# Altium PCB harmonicAnalyzerPcb_r001.PcbDoc
Units mm, origin at the board's own origin, x right, y up, seen from the top; angles counter-clockwise.
Board outline 88.5 x 90 mm, 2 copper layers (Top Layer, Bottom Layer), stack 1.571 mm thick; 69 components, 52 nets, 245 pads, 60 vias.
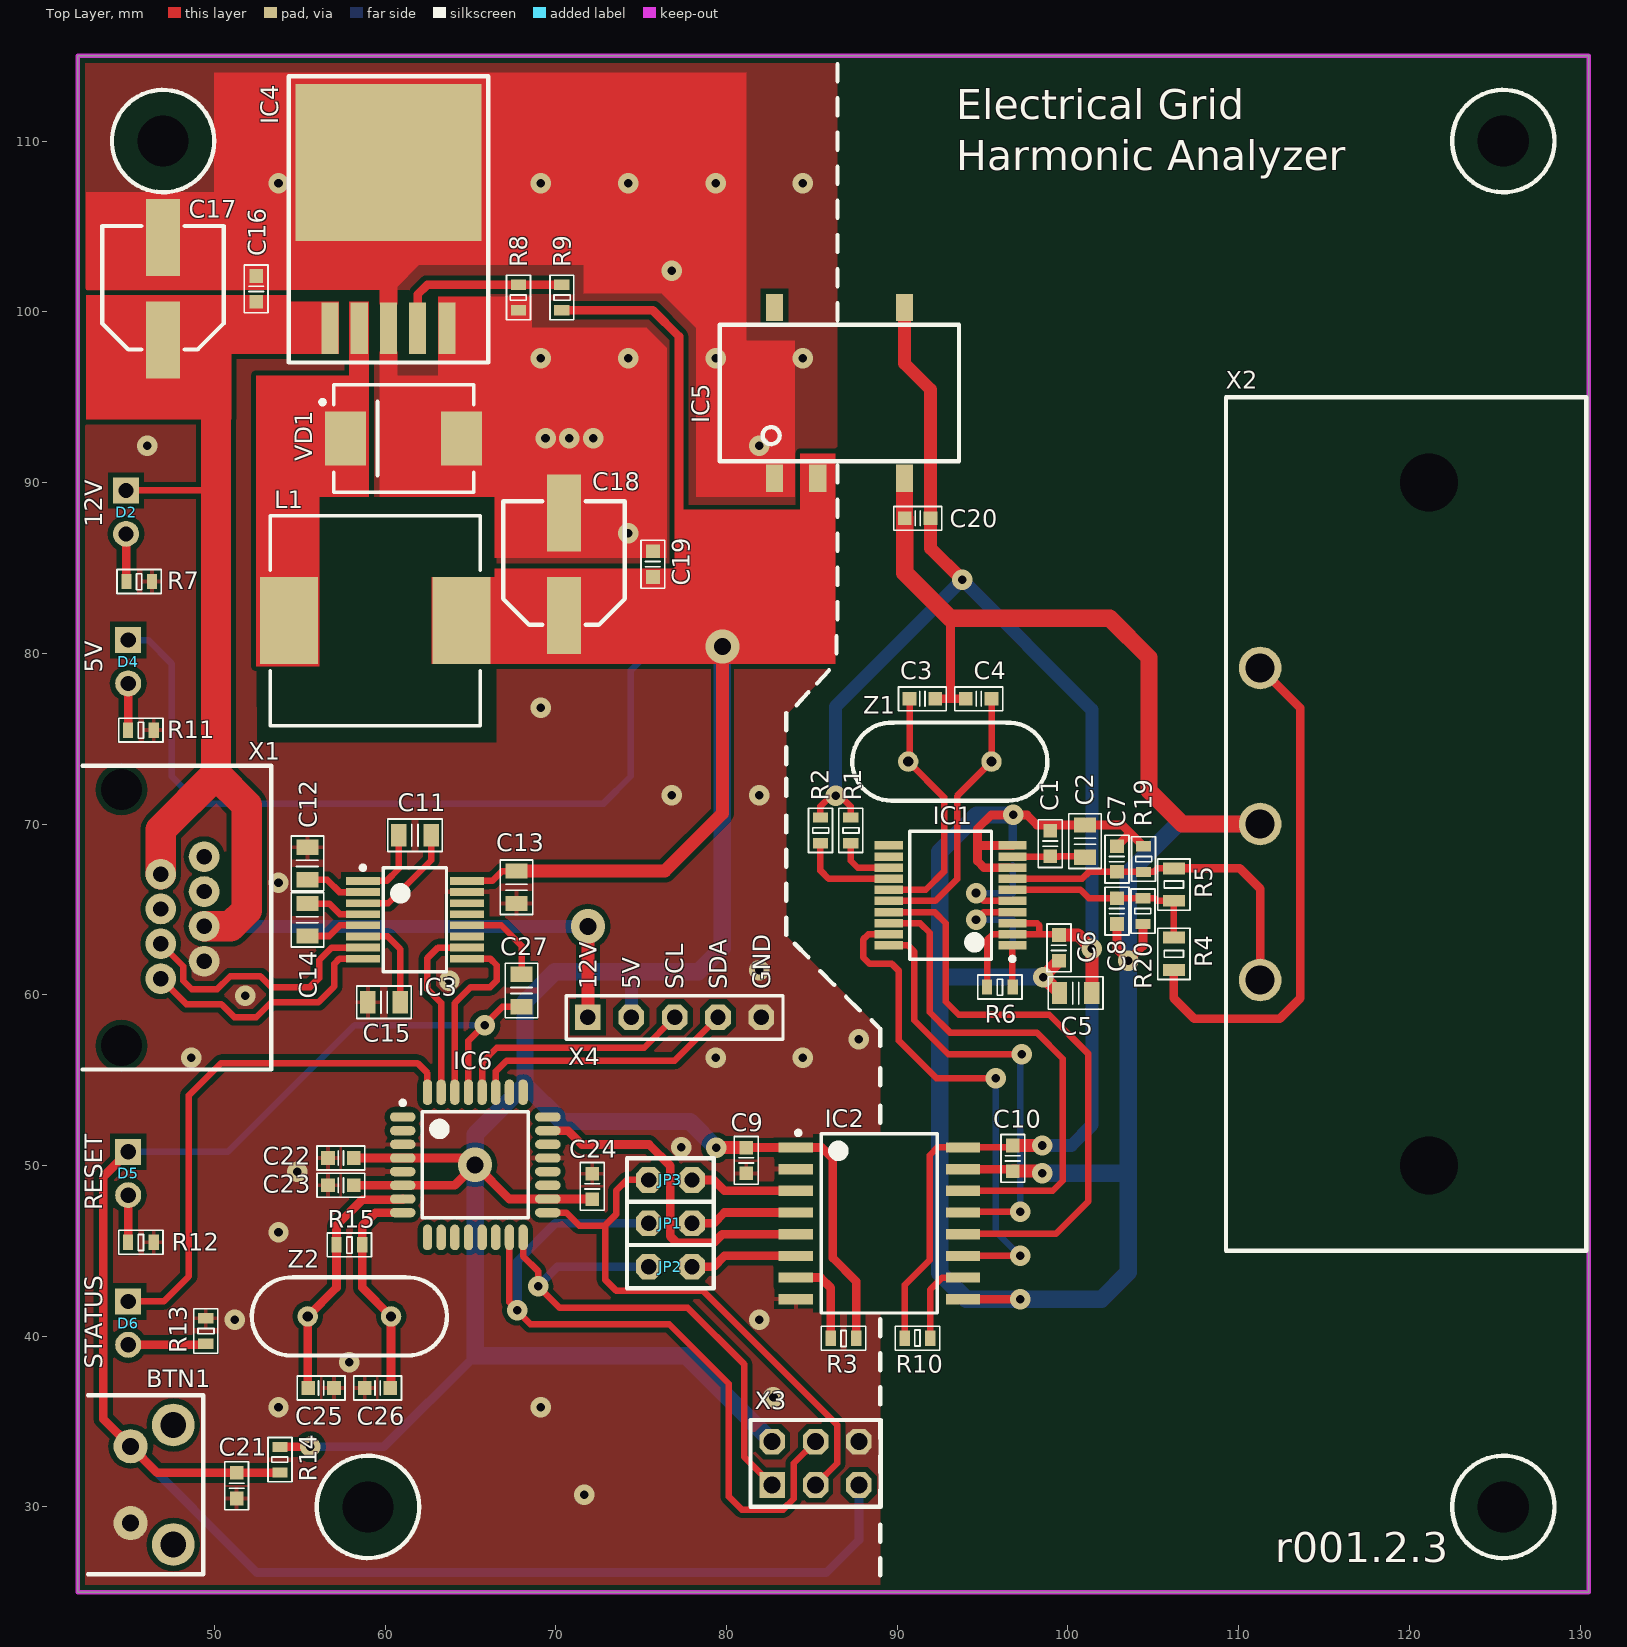
[diagram p0: Top Layer view]
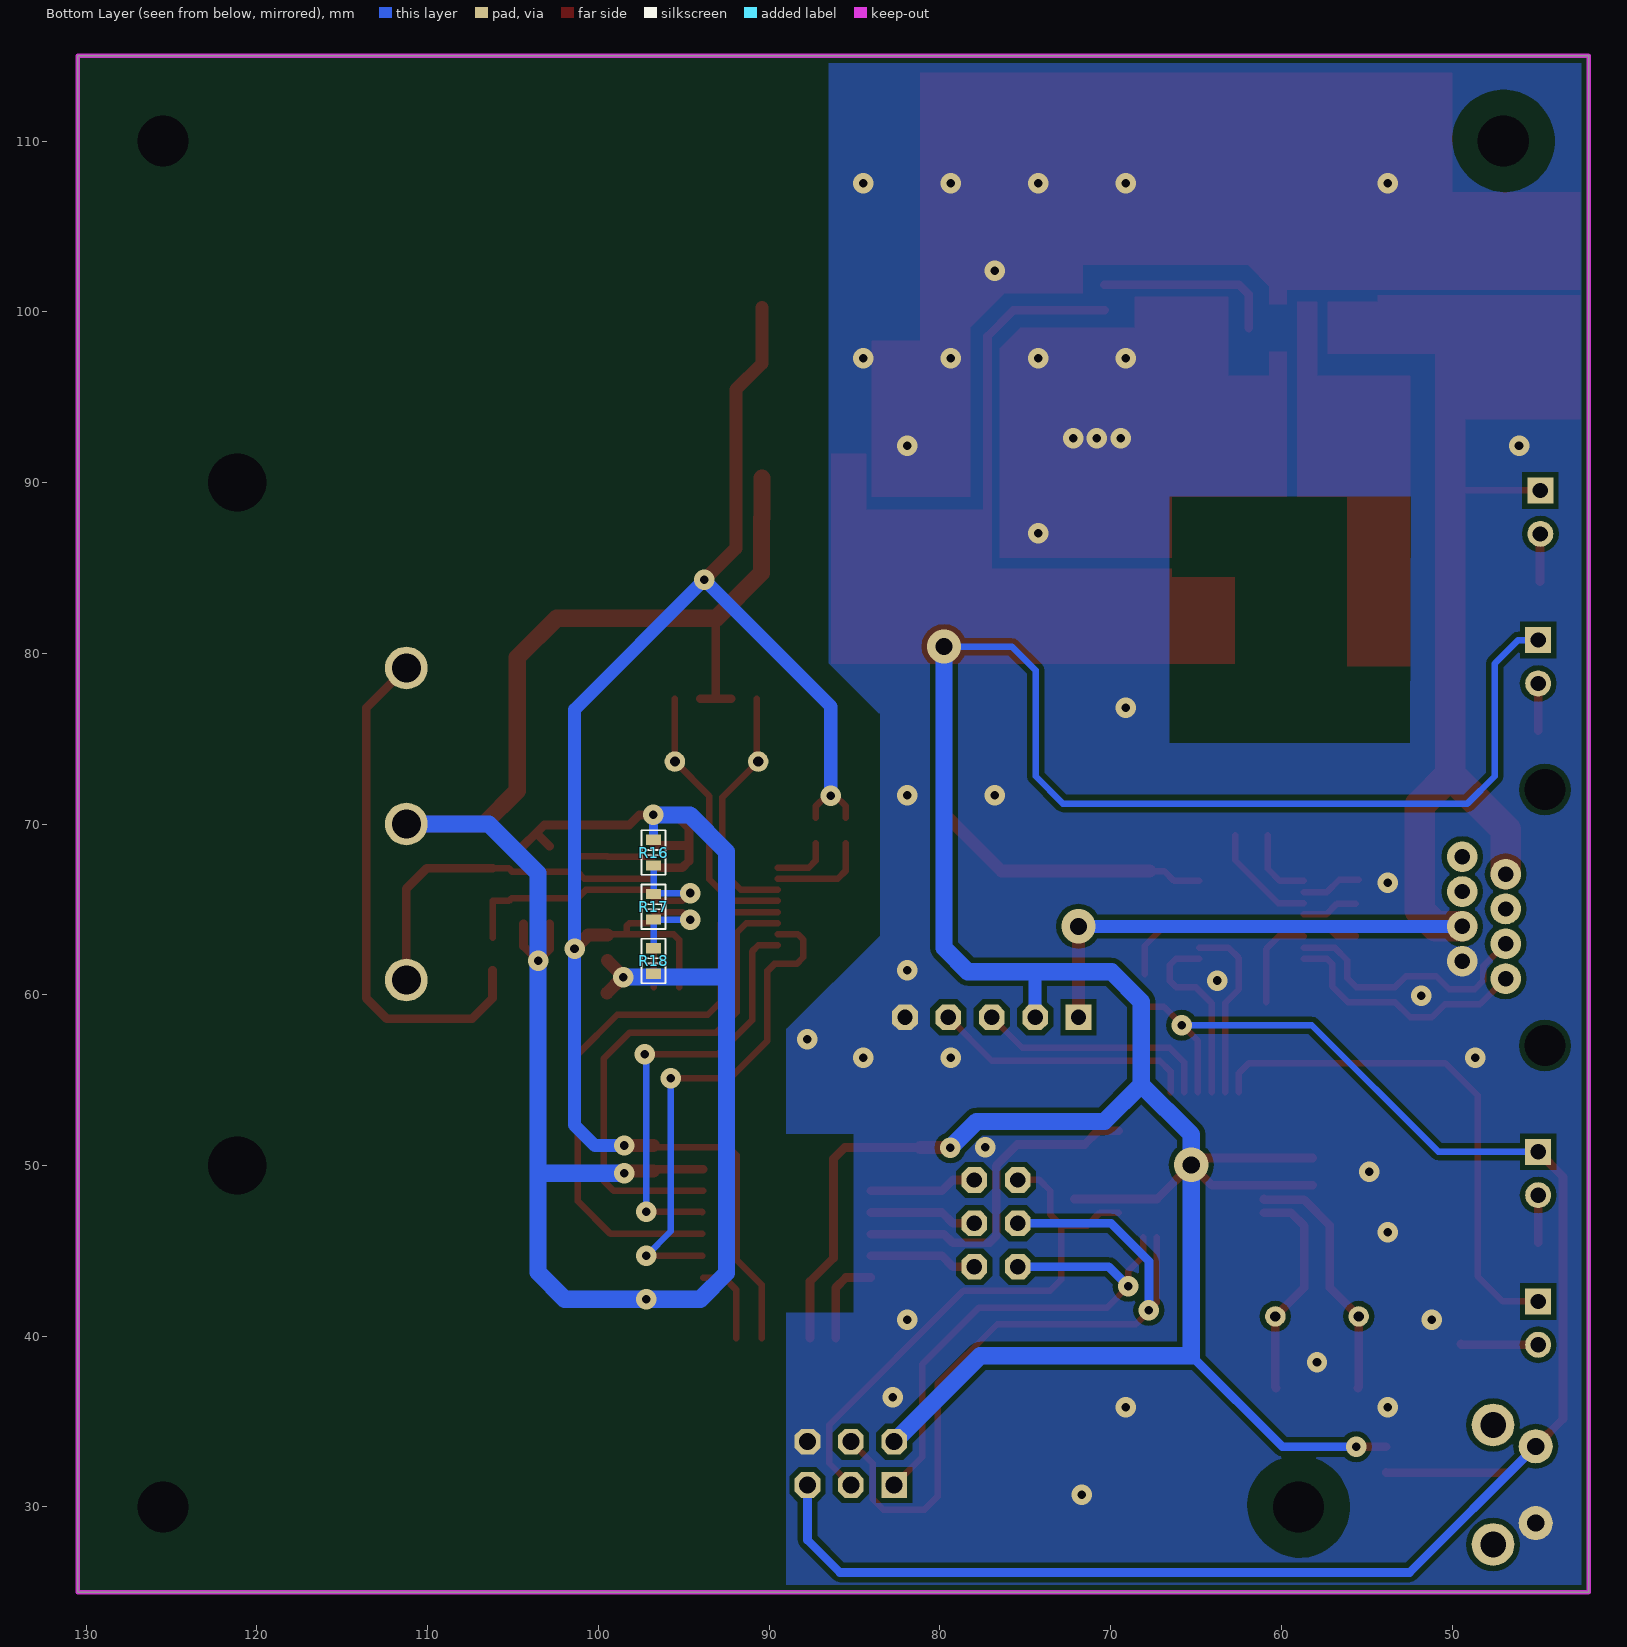
[diagram p1: Bottom Layer view, seen from below]

## Layer stack, top to bottom
Top Solder: solder mask 0.0102, Solder Resist, Dk 3.5
Top Layer: signal copper 0.0356
Dielectric 1: dielectric 1.5, FR-4, Dk 4.8
Bottom Layer: signal copper 0.0356
Bottom Solder: solder mask 0.0102, Solder Resist, Dk 3.5

## Board outline
42,25 130.5,25 130.5,115 42,115

## Design rules (kind name [scope] priority, off if disabled: settings)
Clearance [All] p1: gap=0.127 ignorepadtopadclearanceinfootprint=FALSE except(0.3: Arc-Fill Arc-Poly Arc-Region Track-Fill Track-Poly Track-Region SMDPad-Fill SMDPad-Poly SMDPad-Region THPad-Fill THPad-Poly THPad-Region Via-Fill Via-Poly Via-Region Fill-Fill Fill-Poly Fill-Region Poly-Poly Poly-Region Region-Region)
ComponentClearance [All] p1: gap=0 collisioncheckmode=3 verticalgap=0 showdistances=FALSE
Height [All] p1: minheight=0 maxheight=33 prefheight=12.7
HoleSize [All] p1: absolutevalues=TRUE maxlimit=3.5 minlimit=0.025 maxpercent=80.000 minpercent=20.000
MinimumSolderMaskSliver [All] p1: minsoldermaskwidth=0
PolygonConnect [All] p1: thpad.connectstyle=Direct thpad.reliefconductorwidth=0.254 thpad.reliefentries=4 thpad.polygonreliefangle="90 Angle" thpad.airgapwidth=0.254 smdpad.connectstyle=Relief smdpad.reliefconductorwidth=0.254 smdpad.reliefentries=4 smdpad.polygonreliefangle="90 Angle" smdpad.airgapwidth=0.254 via.connectstyle=Direct via.reliefconductorwidth=0.254 via.reliefentries=4 via.polygonreliefangle="90 Angle" via.airgapwidth=0.254
RoutingVias [All] p1: holewidth=0.5 width=1.2 viastyle="Through Hole" minholewidth=0.5 minwidth=1.2 maxholewidth=1 maxwidth=2
SilkToSilkClearance [All] p1: silktosilkclearance=0
SilkToSolderMaskClearance [IsPad] p1: minsilkscreentomaskgap=0 clearancetoexposedcopper=TRUE
SolderMaskExpansion [All] p1: expansion=0.102
Width [All] p1: maxlimit=2.54 minlimit=0.254 preferedwidth=0.254
24 further rules are at their usual default settings.

## Classes and differential pairs
component class ATmega328: BTN1 C21 C22 C23 C24 C25 C26 D4 D5 D6 IC6 JP1 JP2 JP3 R11 R12 R13 R14 R15 X3 X4 Z2
component class harmonicAnalyzer: R4 R5 R6 X1 X2
component class Isolator: C9 C10 IC2 R3 R10
component class "Meterind IC": C1 C2 C3 C4 C5 C6 C7 C8 IC1 R1 R2 R16 R17 R18 R19 R20 Z1
component class "Power Supply": C16 C17 C18 C19 C20 D2 IC4 IC5 L1 R7 R8 R9 VD1
component class "RS232 Driver": C11 C12 C13 C14 C15 C27 IC3

## Components (designator, comment, footprint, x,y, rotation, side; value= is the part's Value field where it differs from the comment)
BTN1 "Push Button" "PUSH BUTTON RIGHT ANGLE" 47.6,31.3 r270 top
C1 "100n" C_0603 98.966,68.855 r90 top
C2 "10u" C_0805 100.998,68.994 r90 top
C3 "22p" C_0603 91.472,77.33 r180 top
C4 "22p" C_0603 94.774,77.33 r0 top
C5 "10u" C_0805 100.452,60.098 r0 top
C6 "100n" C_0603 99.474,62.745 r90 top
C7 "33n" C_0603 102.87,67.945 r270 top
C8 "33n" C_0603 102.87,64.897 r90 top
C9 "100n" C_0603 81.153,50.292 r90 top
C10 "100n" C_0603 96.774,50.419 r90 top
C11 "100n" C_0805 61.751,69.343 r180 top
C12 "0.47u" C_0805 55.455,67.692 r270 top
C13 "100n" C_0805 67.7,66.294 r90 top
C14 "0.47u" C_0805 55.455,64.39 r90 top
C15 "0.47u" C_0805 59.944,59.563 r0 top
C16 "100n" C_0603 52.451,101.346 r270 top
C17 "470u" R79 46.99,101.346 r180 top
C18 "470u" R79 70.485,85.217 r180 top
C19 "100n" C_0603 75.692,85.217 r270 top
C20 "100n" C_0603 91.2,87.9 r0 top
C21 "1u" C_0603 51.308,31.242 r90 top
C22 "100n" C_0603 57.413,50.438 r0 top
C23 "100n" C_0603 57.413,48.838 r0 top
C24 "100n" C_0603 72.136,48.768 r270 top
C25 "22p" C_0603 56.261,36.966 r0 top
C26 "22p" C_0603 59.563,36.966 r180 top
C27 "100n" C_0805 67.996,60.249 r270 top
D2 "" LED_5mm 44.831,89.535 r270 top
D4 "" LED_5mm 44.958,80.772 r270 top
D5 "" LED_5mm 44.958,50.8 r270 top
D6 "" LED_5mm 44.958,42.037 r270 top
IC1 "ADE7753" SOP-20 93.124,65.819 r180 top
IC2 "ISO7741" SOIC-16 88.953,46.609 r0 top
IC3 "MAX3232" SSOP-16 61.751,64.39 r0 top
IC4 "AX3161" TO263-5L 60.198,103.886 r0 top
IC5 "TES 1-0511" "TES 1-0511" 86.614,95.25 r90 top
IC6 "ATmega328" TQFP-32 65.287,50.038 r0 top
JP1 "#NAME?" PLS-2 76.708,46.609 r180 top
JP2 "#NAME?" PLS-2 76.708,44.069 r180 top
JP3 "#NAME?" PLS-2 76.708,49.149 r0 top
L1 "120uH" L-12.3x12.3 59.436,81.915 r0 top
R1 "100k" R_0603 87.282,69.629 r90 top
R2 "100k" R_0603 85.504,69.629 r90 top
R3 "4.7k" R_0603 86.856,39.878 r0 top
R4 "1M" R_0805 106.204,62.39 r90 top
R5 "810" R_0805 106.204,66.454 r90 top
R6 "10k" R_0603 96.012,60.452 r0 top
R7 "6.8k" R_0603 45.6,84.201 r0 top
R8 "1.5k" R_0603 67.818,100.838 r270 top
R9 "4.7k" R_0603 70.358,100.838 r90 top
R10 "4.7k" R_0603 91.186,39.878 r180 top
R11 "2.2k" R_0603 45.7,75.5 r0 top
R12 "2.2k" R_0603 45.7,45.5 r0 top
R13 "2.2k" R_0603 49.5,40.3 r90 top
R14 "10k" R_0603 53.848,32.766 r270 top
R15 "1M" R_0603 57.912,45.348 r0 top
R16 "100k" R_0603 96.774,68.326 r270 bottom
R17 "100k" R_0603 96.774,65.151 r90 bottom
R18 "100k" R_0603 96.774,61.976 r90 bottom
R19 "100k" R_0603 104.426,67.945 r90 top
R20 "100k" R_0603 104.394,64.897 r270 top
VD1 "30BQ040" "DO-214AB (SMC)" 61.087,92.583 r0 top
X1 "RJ45" RJ45 46.983,64.514 r270 top
X2 "C13" C13_RA_TH 111.256,70 r270 top
X3 "PLD-6" PLD-6 85.217,32.553 r90 top
X4 "PLS-5" PLS-5-3D 71.882,58.674 r0 top
Z1 "8MHz" HC-49 93.082,73.656 r180 top
Z2 "8MHz" HC-49 57.912,41.157 r180 top

## Footprints (in the part's own frame and the unit in brackets; to place one, negate y for a bottom-side part, rotate by r counter-clockwise, add the part's x,y. Pads: shape width x height; smd on the part's side, far side on the other; paste and mask are expansions set on the pad)
C13_RA_TH [mm]
  round 0 hole 3.4: 0(-20,9.9) 0(20,9.9)
  round 2.5 hole 1.7: 1(-9.14,0) 2(0,0) 3(9.14,0)
  silkscreen extent -25,-2 25,19.1, body extent -24.88,-1.8 24.88,21.8, height 27.76
C_0603 [mm] "Chip Capacitor; Body 1.6 x 0.8 mm (LxW typ)"
  rect 0.8x0.8 smd: 1(-0.75,0) 2(0.75,0)
  silkscreen extent -1.4,-0.7 1.4,0.7, body extent -0.8,-0.4 0.8,0.4, height 0.3
C_0805 [mm] "Capacitor Pattern"
  rect 0.9x1.3 smd: 1(-0.95,0) 2(0.95,0)
  silkscreen extent -1.6,-0.95 1.6,0.95, body extent -1,-0.63 1,0.62, height 0.6
"DO-214AB (SMC)" [mm] "Molded Diode, 2-Leads, Body 7.94x5.90mm, IPC Medium Density"
  rect 2.4x3.15 smd: A(3.4,0) C(-3.4,0)
  silkscreen extent -4.87,-3.15 4.1,3.15, body extent -4.06,-3.05 4.07,3.05, height 2.4
HC-49 [mm]
  round 1.2 hole 0.6: 1(-2.44,0) 2(2.44,0)
  silkscreen extent -5.71,-2.29 5.71,2.29, body extent -5.67,-2.32 5.68,2.33, height 3.6
L-12.3x12.3 [mm] "Precision Wire Wound Inductor, 2-Leads, Body 12.00x12.00mm, IPC Medium Density"
  rect 3.4x5.1 smd: 1(-5.05,0) 2(5.05,0)
  silkscreen extent -6.15,-6.15 6.15,6.15, body extent -6,-6 6,6, height 8
LED_5mm [mil]
  rect 60x60 hole 35: 1(0,0)
  round 60 hole 35: 2(100,0)
  body extent -65,-114 148,114, height 520
PLD-6 [mm]
  rect 1.5x1.5 hole 1: 1(-1.27,2.54)
  oct 1.5x1.5 hole 1: 2(1.27,2.54) 3(-1.27,0) 4(1.27,0) 5(-1.27,-2.54) 6(1.27,-2.54)
  silkscreen extent -2.54,-3.81 2.54,3.81
PLS-2 [mm] "PLS-2: STEP 2.54mm"
  oct 1.5x1.5 hole 0.9: 1(-1.27,0) 2(1.27,0)
  silkscreen extent -2.54,-1.27 2.54,1.27, body extent -2.54,-1.27 2.54,1.27, height 8.44
PLS-5-3D [mm] "Connector; Header; 5 Position"
  rect 1.5x1.5 hole 0.9: 1(0,0)
  oct 1.5x1.5 hole 0.9: 2(2.54,0) 3(5.08,0) 4(7.62,0) 5(10.16,0)
  silkscreen extent -1.27,-1.27 11.43,1.27, body extent -1.27,-1.27 11.43,1.27, height 8.44
"PUSH BUTTON RIGHT ANGLE" [mm]
  round 2.5 hole 1.5: 0(-3.5,0) 0(3.5,0)
  round 2 hole 1: 1(-2.25,-2.5) 2(2.25,-2.5)
  silkscreen extent -5.25,-5 5.25,1.75, body extent -4.19,-10.84 4.21,1.46, height 8.3
R79 [mm]
  rect 2x4.5 smd: 1(0,3) 2(0,-3)
  silkscreen extent -3.56,-3.68 3.56,3.56, body extent -3.3,-3.5 3.3,3.5, height 3.91
R_0603 [mm]
  rect 0.6x0.9 smd: 1(-0.75,0) 2(0.75,0)
  silkscreen extent -1.3,-0.7 1.3,0.7, body extent -0.8,-0.41 0.8,0.41, height 0.45
R_0805 [mm] "Resistor Pattern"
  rect 0.7x1.3 smd: 1(-0.95,0) 2(0.95,0)
  silkscreen extent -1.5,-0.95 1.5,0.95, body extent -1,-0.6 1,0.6, height 0.5
RJ45 [mm]
  round 0 hole 2.4: 0(-7.5,-2.42) 0(7.5,-2.42)
  round 1.8 hole 0.9: 1(3.57,-0.12) 2(2.55,2.42) 3(1.53,-0.12) 4(0.51,2.42) 5(-0.51,-0.12) 6(-1.53,2.42) 7(-2.55,-0.12) 8(-3.57,2.42)
  silkscreen extent -8.89,-4.7 8.89,6.35, body extent -7.87,-15.13 8.12,5.92, height 13.37
SOIC-16 [mm]
  rect 2x0.6 smd: 1(-4.9,4.445) 2(-4.9,3.175) 3(-4.9,1.905) 4(-4.9,0.635) 5(-4.9,-0.635) 6(-4.9,-1.905) 7(-4.9,-3.175) 8(-4.9,-4.445) 9(4.9,-4.445) 10(4.9,-3.175) 11(4.9,-1.905) 12(4.9,-0.635) 13(4.9,0.635) 14(4.9,1.905) 15(4.9,3.175) 16(4.9,4.445)
  silkscreen extent -4.87,-5.25 3.4,5.42, body extent -6.5,-5.25 5.32,5.25, height 2.72
SOP-20 [mm] "SOP, 20-Leads, Body 7.20x5.30mm, Pitch 0.65mm, IPC Medium Density"
  rect 1.65x0.5 smd: 1(-3.625,2.925) 2(-3.625,2.275) 3(-3.625,1.625) 4(-3.625,0.975) 5(-3.625,0.325) 6(-3.625,-0.325) 7(-3.625,-0.975) 8(-3.625,-1.625) 9(-3.625,-2.275) 10(-3.625,-2.925) 11(3.625,-2.925) 12(3.625,-2.275) 13(3.625,-1.625) 14(3.625,-0.975) 15(3.625,-0.325) 16(3.625,0.325) 17(3.625,0.975) 18(3.625,1.625) 19(3.625,2.275) 20(3.625,2.925)
  silkscreen extent -3.75,-3.75 2.4,3.85, body extent -3.95,-3.67 3.95,3.66, height 2.03
SSOP-16 [mm]
  rect 2x0.45 smd: 1(-3.05,2.275) 2(-3.05,1.625) 3(-3.05,0.975) 4(-3.05,0.325) 5(-3.05,-0.325) 6(-3.05,-0.975) 7(-3.05,-1.625) 8(-3.05,-2.275) 9(3.05,-2.275) 10(3.05,-1.625) 11(3.05,-0.975) 12(3.05,-0.325) 13(3.05,0.325) 14(3.05,0.975) 15(3.05,1.625) 16(3.05,2.275)
  silkscreen extent -3.17,-3.05 1.85,3.17, body extent -3.9,-3.1 3.9,3.1, height 1.9
"TES 1-0511" [mm]
  rect 1.6x1 smd: 1(-5,3.81) 2(-5,1.27) 4(-5,-3.81) 5(5,-3.81) 8(5,3.81)
  silkscreen extent -4,-7 4,7
TO263-5L [mm]
  rect 1x3 smd: 1(-3.42,-4.85) 2(-1.71,-4.85) 3(0,-4.85) 4(1.71,-4.85) 5(3.42,-4.85)
  rect 10.9x9.2 smd: 3(0,4.85)
  silkscreen extent -5.84,-6.86 5.84,9.91, body extent -5.08,-5.4 5.08,8.61, height 4.56
TQFP-32 [mm]
  oval 1.5x0.55 smd: 1(-4.25,2.8) 2(-4.25,2) 3(-4.25,1.2) 4(-4.25,0.4) 5(-4.25,-0.4) 6(-4.25,-1.2) 7(-4.25,-2) 8(-4.25,-2.8) 17(4.25,-2.8) 18(4.25,-2) 19(4.25,-1.2) 20(4.25,-0.4) 21(4.25,0.4) 22(4.25,1.2) 23(4.25,2) 24(4.25,2.8)
  oval 0.55x1.5 smd: 9(-2.8,-4.25) 10(-2,-4.25) 11(-1.2,-4.25) 12(-0.4,-4.25) 13(0.4,-4.25) 14(1.2,-4.25) 15(2,-4.25) 16(2.8,-4.25) 25(2.8,4.25) 26(2,4.25) 27(1.2,4.25) 28(0.4,4.25) 29(-0.4,4.25) 30(-1.2,4.25) 31(-2,4.25) 32(-2.8,4.25)
  silkscreen extent -4.37,-3.1 3.1,3.75, body extent -4.6,-4.63 4.6,4.57, height 1.2

## Part data
BTN1: "Push button"
C1 C3 C4 C6 C7 C8 C9 C10 C16 C19 C20 C21 C22 C23 C24 C25 C26: library part C0603, "Capacitor"
C2 C5 C11 C12 C13 C14 C15 C27: library part C0805, "Capacitor"
C17 C18: library part Electrolit, "Electrolit capasitor"
D2 D4 D5 D6: library part LED_5mm, "Typical INFRARED GaAs LED"
IC1: library part ADE7753ARSZ, "Data Acquisition ADC/DAC"
IC2: "Quad-Channel Digital Isolators"
IC3: "RS-232 Line Driver/Receiver With ±15-kV ESD Protection"
IC4: "52KHz, 2A PWM Buck DC/DC Converter", Link=https://voron.ua/catalog/031858
IC5: "Isolated DC/DC Converter"
IC6: "High Performance, Low Power Atmel AVR 8-Bit Microcontroller"
JP1 JP2 JP3: library part JP-2, "Jumper Pins", Type=PLS-2
L1: library part L, "Inductor"
R1 R2 R3 R6 R7 R8 R9 R10 R11 R12 R13 R14 R15 R16 R17 R18 R19 R20: library part R0603, "Resistor"
R4 R5: library part R0805, "Resistor"
VD1: "High Performance Schottky Rectifier, 3.0 A", Link=https://voron.ua/catalog/schottky-diode-30bq040-irf
X1: "Outlet YH-55-05 8P8C 5521", Link=https://www.rcscomponents.kiev.ua/product/rozetka-yh-55-05-8p8c-5521-l-kls12-133-8p8c-w-o-2-01_8324.html
X4: "Header, 5-Pin", LatestRevisionDate=17-Jul-2002, LatestRevisionNote="Re-released for DXP Platform.", Publisher="Altium Limited"
Z1 Z2: library part XTAL, "Quartz resonator"

## Free pads (board coordinates)
  round 0 hole 3 unplated: 0(47,110) 0(59,30) 0(125.5,30) 0(125.5,110)

## Via types
v1: diameter 1.2, hole 0.5, Top Layer to Bottom Layer, tented both sides, 57 vias
v2: diameter 2, hole 1, Top Layer to Bottom Layer, tented both sides, 3 vias

## Nets (pads, with @x,y where several pads share a name; then routed paths per layer and width w, separated by ;. In a path a pad name is that pad's centre, name@x,y a point inside that pad or via, vN(x,y) a via of type N, cw(c..) or ccw(c..) an arc to the next point about the centre after c; other vN are vias at no path point)
5V: C9.2 C13.2 C18.1 C19.2 C22.2 C23.2 C24.2 D4.1 IC2.1 IC3.16 IC5.2 IC6.4 IC6.6 IC6.18 L1.2 R3.2 R9.1 R14.1 X3.2 X4.2 | length 236.2
  Top Layer w0.381: IC3.16 66.284,66.665 66.863,67.244 C13.2
  Top Layer w0.508: R14.1 v1(55.626,33.516) ; C23.2 IC6.6 64.078,48.838 v2(65.278,50.038) ; C22.2 IC6.4 64.878,50.438 v2(65.278,50.038) ; R9.1 75.686,100.088 77.216,98.558 77.216,88.011 ; C24.2 72.116,48.038 IC6.18 67.278,48.038 v2(65.278,50.038) ; C9.2 81.165,51.054 IC2.1 85.572,51.054 86.233,50.393 86.233,44.577 87.606,43.204 R3.2
  Top Layer w0.762: C13.2 76.388,67.244 79.756,70.612 v2(79.756,80.391) ; v1(79.387,51.042) C9.2
  Bottom Layer w0.381: D4.1 46.128,80.772 47.5,79.4 47.5,72.8 49.1,71.2 72.8,71.2 74.393,72.793 74.393,78.993 75.791,80.391 v2(79.756,80.391)
  Bottom Layer w0.508: v1(55.626,33.516) 59.932,33.516 65.278,38.862
  Bottom Layer w0.762: X4.2 74.422,61.341
  Bottom Layer w1.016: v1(79.387,51.042) 77.851,52.578 70.358,52.578 68.199,54.737 ; v2(79.756,80.391) 79.756,62.738 78.359,61.341 74.422,61.341 69.949,61.341 68.199,59.591 68.199,54.737 ; X3.2 77.638,38.862 65.278,38.862 v2(65.278,50.038) 65.278,51.816 68.199,54.737
5VDC: C5.2 C6.2 C10.2 C20.2 IC1.2 IC1.3 IC2.16 IC5.5 R1.2 R2.2 R6.1 R10.2 | length 107.4
  Top Layer w0.381: R2.2 85.504,71.034 86.131,71.661 v1(86.393,71.661) 86.651,71.661 87.282,71.03 R1.2 ; R10.2 90.436,42.998 91.9,44.462 91.9,50.6 92.354,51.054 IC2.16 C10.2@96.659,51.054 ; R6.1 95.262,63.207 95.599,63.544 IC1.2 98.331,63.544 ; IC1.3 98.19,64.194 98.331,64.053 98.331,63.544 ; C6.2 99.425,63.544 98.331,63.544
  Top Layer w0.762: IC5.5 90.424,96.976 91.95,95.45 C20.2 91.95,86.15 v1(93.8,84.3) ; C10.2 v1(98.5,51.169) ; C6.2 100.6,63.495 v1(101.402,62.693) C5.2
  Bottom Layer w0.762: v1(86.393,71.661) 86.393,76.893 v1(93.8,84.3) ; v1@93.8,84.4 v1(93.8,84.3) ; v1(98.5,51.169) 100.208,51.169 101.402,52.363 v1(101.402,62.693) 101.402,76.698 v1(93.8,84.3)
12V: C16.2 C17.1 D2.1 IC4.1 X1.4 X1.7 X4.1 | length 73
  Top Layer w0.381: D2.1 50.065,89.535 50.1,89.5
  Top Layer w0.762: X4.1 v2(71.882,64.008)
  Top Layer w1.778: X1.7 46.863,69.663 50.1,72.9 ; X1.4 50.951,64.004 51.9,64.953 51.9,71.1 50.1,72.9 ; 50.1,94 50.1,89.5 50.1,72.9
  Bottom Layer w0.762: X1.4 49.407,64.008 v2(71.882,64.008)
AVR_MISO: IC6.16 JP2.2 X3.1 | length 31.9
  Top Layer w0.381: IC6.16 68.087,44.689 68.961,43.815 v1(68.961,42.926) 70.231,41.656 77.736,41.656 81.026,38.366 81.026,32.934 X3.1
  Bottom Layer w0.508: v1(68.961,42.926) 70.104,44.069 JP2.2
AVR_MOSI: IC6.15 JP1.2 X3.4 | length 45
  Top Layer w0.381: IC6.15 67.287,41.996 v1(67.754,41.529) ; v1@67.691,41.529 68.519,40.701 76.647,40.701 80.137,37.211 80.137,30.607 80.899,29.845 83.312,29.845 83.947,30.48 83.947,32.553 X3.4
  Bottom Layer w0.508: v1(67.754,41.529) 67.754,44.386 69.977,46.609 JP1.2
AVR_RESET: BTN1.1 C21.2 C27.2 D5.1 IC6.29 R14.2 X3.5 | length 108.6
  Top Layer w0.381: IC6.29 64.887,57.309 65.795,58.217 v1(65.837,58.217) 65.837,58.259 66.877,59.299 C27.2
  Top Layer w0.508: D5.1 43.5,49.342 43.5,35.15 BTN1.1 46.658,31.992 C21.2 53.824,31.992 R14.2
  Bottom Layer w0.381: D5.1 50.8,50.8 58.217,58.217 v1(65.837,58.217)
  Bottom Layer w0.508: BTN1.1 52.488,26.162 85.852,26.162 87.757,28.067 X3.5
AVR_SCK: IC6.17 JP3.1 X3.3 | length 32.5
  Top Layer w0.381: IC6.17 70.618,47.238 71.374,46.482 72.886,46.482 ; JP3.1 74.168,49.149 73.533,48.514 73.533,47.129 72.886,46.482 ; X3.3 86.487,32.553 86.487,34.798 78.613,42.672 73.533,42.672 72.886,43.319 72.886,46.482
CS: IC1.17 IC2.12 | length 34.6
  Top Layer w0.381: IC1.17 92.187,64.844 92.837,64.194 92.837,59.595 93.602,58.83 98.904,58.83 101.2,56.534 101.2,47.9 99.288,45.988 IC2.12@93.906,45.988
DIN: IC1.20 IC2.13 | length 25.3
  Top Layer w0.381: IC1.20 90.636,62.894 91,62.53 91,58.506 92.991,56.515 v1(97.282,56.515) ; IC2.13@93.906,47.258 93.948,47.3 v1(97.2,47.3)
  Bottom Layer w0.381: v1(97.2,47.3) v1@97.2,56.515
DOUT: IC1.19 IC2.11 | length 30.1
  Top Layer w0.381: IC1.19 88.314,63.544 88,63.23 88,62.197 88.392,61.805 89.69,61.805 90.1,61.395 90.1,57.3 92.282,55.118 v1(95.758,55.118) ; IC2.11@93.906,44.718 93.924,44.7 v1(97.2,44.7)
  Bottom Layer w0.381: v1(95.758,55.118) 95.758,46.142 v1(97.2,44.7)
EN1: IC2.7 R3.1 | length 5.3
  Top Layer w0.508: IC2.7 85.504,43.434 86.106,42.832 R3.1
EN2: IC2.10 R10.1 | length 5.1
  Top Layer w0.381: R10.1 91.936,42.732 92.638,43.434 IC2.10
GND: BTN1.2 C9.1 C12.1 C13.1 C15.1 C16.1 C17.2 C18.2 C19.1 C21.1 C22.1 C23.1 C24.1 C25.2 C26.2 IC2.2 IC2.8 IC3.15 IC4.3 IC4.5 IC5.1 IC6.3 IC6.5 IC6.21 R7.2 R8.2 R11.2 R12.2 R13.2 VD1.A X1.2 X3.6 X4.5
  other v1: 71.68,30.72 53.76,35.84 69.12,35.84 82.753,36.43 57.912,38.481 51.2,40.96 81.92,40.96 53.76,46.08 54.864,49.638 77.343,51.054 48.64,56.32 79.36,56.32 84.48,56.32 87.757,57.404 51.816,59.944 63.754,60.833 81.92,61.44 53.76,66.56 76.8,71.68 81.92,71.68 69.12,76.8 74.24,87.04 46.08,92.16 81.92,92.16 69.4,92.6 70.8,92.6 72.2,92.6 69.12,97.28 74.24,97.28 79.36,97.28 84.48,97.28 76.8,102.4 53.76,107.52 69.12,107.52 74.24,107.52 79.36,107.52 84.48,107.52
INA: IC2.3 JP3.2 | length 6.3
  Top Layer w0.508: JP3.2 79.248,49.149 79.883,48.514 IC2.3
INB: IC2.4 JP1.1 | length 6.3
  Top Layer w0.508: JP1.1 79.248,46.609 79.883,47.244 IC2.4
INC: IC2.5 IC6.23 | length 19.9
  Top Layer w0.508: IC6.23 70.72,52.038 71.526,51.232 75.463,51.232 76.708,49.987 76.708,45.847 77.089,45.466 79.248,45.466 79.756,45.974 IC2.5
NetC1_1: C1.1 C2.1 IC1.9 | length 4.7
  Top Layer w0.381: IC1.9 99.463,68.094 99.474,68.105 C2.1@101.445,68.105
NetC3_2: C3.2 IC1.15 Z1.2 | length 14.7
  Top Layer w0.381: IC1.15 91.67,66.144 92.742,67.216 92.742,71.556 Z1.2 90.722,73.736 C3.2
NetC4_2: C4.2 IC1.16 Z1.1 | length 15.9
  Top Layer w0.381: IC1.16 92.234,65.494 93.504,66.764 93.504,71.638 Z1.1 95.524,73.658 C4.2
NetC11_1: C11.1 IC3.3 | length 6.5
  Top Layer w0.381: IC3.3 60.186,65.365 62.701,67.88 C11.1
NetC11_2: C11.2 IC3.1 | length 4.4
  Top Layer w0.381: IC3.1 60.089,66.665 60.801,67.377 C11.2
NetC12_2: C12.2 IC3.2 | length 3.5
  Top Layer w0.381: C12.2 56.605,66.742 57.332,66.015 IC3.2
NetC14_1: C14.1 IC3.5 | length 3.3
  Top Layer w0.381: C14.1@55.655,63.44 56.737,63.44 57.362,64.065 IC3.5
NetC14_2: C14.2 IC3.4 | length 3.3
  Top Layer w0.381: C14.2@55.655,65.34 56.737,65.34 57.362,64.715 IC3.4
NetC15_2: C15.2 IC3.6 | length 5.6
  Top Layer w0.381: IC3.6 60.156,63.415 60.894,62.677 C15.2
NetC27_1: C27.1 IC3.12 | length 5.3
  Top Layer w0.381: IC3.12 66.802,64.065 68,62.867 C27.1@68,61.214
NetD2_2: D2.2 R7.1 | length 2.8
  Top Layer w0.508: D2.2 44.85,86.976 R7.1
NetD4_2: D4.2 R11.1 | length 2.8
  Top Layer w0.508: R11.1@44.958,75.457 D4.2
NetD5_2: D5.2 R12.1 | length 2.8
  Top Layer w0.508: R12.1@44.958,45.485 D5.2
NetD6_2: D6.2 R13.1 | length 4.6
  Top Layer w0.508: D6.2 49.447,39.497 R13.1
NetIC1_13: IC1.13 R1.1 | length 3.4
  Top Layer w0.381: R1.1 87.282,67.851 87.689,67.444 IC1.13
NetIC1_14: IC1.14 R2.1 | length 5.8
  Top Layer w0.381: R2.1 85.504,67.27 85.98,66.794 IC1.14
NetIC4_2: IC4.2 L1.1 VD1.C
NetIC4_4: IC4.4 R8.1 R9.2 | length 10.7
  Top Layer w0.508: IC4.4 61.908,101.012 62.484,101.588 R8.1 R9.2
NetR4_1: R4.1 X2.1 | length 30.3
  Top Layer w0.508: R4.1 106.204,59.796 107.4,58.6 112.4,58.6 113.6,59.8 113.6,76.796 X2.1
OUTA: IC1.18 IC2.14 | length 29.5
  Top Layer w0.381: IC1.18 91.336,64.194 91.9,63.63 91.9,58.976 93.091,57.785 98.171,57.785 99.703,56.253 99.703,49.103 99.114,48.514 IC2.14
OUTD: IC2.6 JP2.1 | length 6.3
  Top Layer w0.508: JP2.1 79.248,44.069 79.883,44.704 IC2.6
PGND: C1.2 C2.2 C3.1 C4.1 C5.1 C6.1 C7.1 C8.1 C10.1 C20.1 IC1.8 IC1.10 IC2.9 IC2.15 IC5.4 R16.1 R18.1 R19.2 R20.2 X2.2 | length 164.4
  Top Layer w0.508: C3.1 93.123,77.33 ; 93.123,82.056 93.123,77.33 ; IC2.9 v1(97.2,42.164) ; IC2.15 96.659,49.784 C10.1 ; C4.1 93.123,77.33 ; IC1.8 95.086,67.444 94.7,67.83 94.7,68.73 ; IC1.10 94.714,68.744 94.7,68.73 ; C8.1 102.87,62.668 v1(103.538,62) 104.394,62.856 R20.2 ; C7.1 103.632,69.457 103.632,69.489 ; R19.2 103.632,69.489 ; 94.7,68.73 94.7,69.73 95.5,70.53 v1(96.8,70.53) 97.604,70.53 98.19,69.944 C2.2 103.177,69.944 103.632,69.489
  Top Layer w0.762: C20.1@90.424,87.926 C20.1 ; C10.1 98.373,49.669 v1(98.5,49.542) ; v1(98.552,61.036) 98.564,61.036 v1@98.609,60.991 ; C6.1 98.609,61.13 v1@98.609,60.991 ; C5.1 v1@98.609,60.991
  Top Layer w1.016: C20.1@90.424,87.926 IC5.4 ; C20.1 90.45,84.706 93.1,82.056 93.123,82.056 102.444,82.056 104.75,79.75 104.75,71.954 106.704,70 X2.2
  Bottom Layer w0.508: R16.1 96.774,70.504 v1(96.8,70.53)
  Bottom Layer w1.016: v1(96.8,70.53) 94.66,70.53 92.5,68.37 92.5,61.03 ; v1(98.5,49.542) 103.538,49.542 ; v1(98.552,61.036) 92.506,61.036 92.5,61.03 ; X2.2 106.42,70 103.538,67.118 v1(103.538,62) 103.538,49.542 ; 92.5,61.03 92.5,43.703 94.039,42.164 v1(97.2,42.164) 101.964,42.164 103.538,43.738 103.538,49.542
R1OUT: IC3.9 IC6.30 | length 11
  Top Layer w0.381: IC6.30 64.087,59.515 65.024,60.452 66.167,60.452 66.548,60.833 66.548,61.722 66.155,62.115 IC3.9
RES: IC1.1 R6.2 | length 2.4
  Top Layer w0.381: IC1.1 96.749,60.465 R6.2
RX: IC3.8 X1.1 | length 15
  Top Layer w0.381: X1.1 48.371,59.436 50.419,59.436 51.181,58.674 52.451,58.674 53.34,59.563 56.102,59.563 57.023,60.484 57.023,61.803 57.335,62.115 IC3.8
SCL: IC6.28 X4.3 | length 14.1
  Top Layer w0.381: IC6.28 65.687,56.035 66.548,56.896 75.184,56.896 X4.3
SDA: IC6.27 X4.4 | length 15.5
  Top Layer w0.381: IC6.27 66.487,55.504 67.117,56.134 76.962,56.134 X4.4
STATUS: D6.1 IC6.32 | length 30.9
  Top Layer w0.381: D6.1 47.037,42.037 48.5,43.5 48.5,54.1 50.4,56 61.9,56 62.487,55.413 IC6.32
T1IN: IC3.10 IC6.31 | length 10.8
  Top Layer w0.381: IC6.31 63.287,59.522 62.487,60.322 62.487,62.147 63.105,62.765 IC3.10
TX: IC3.7 X1.3 | length 15.6
  Top Layer w0.381: X1.3 48.185,61.662 48.185,60.815 48.675,60.325 50.165,60.325 50.927,61.087 52.705,61.087 53.34,60.452 55.61,60.452 56.134,60.976 56.134,62.014 56.885,62.765 IC3.7
V1N: IC1.5 R16.2 R17.2 | length 6.2
  Top Layer w0.381: v1(94.615,65.958) 95.079,65.494 IC1.5
  Bottom Layer w0.381: v1(94.615,65.958) 96.717,65.958 R17.2 R16.2
V1P: IC1.4 R17.1 R18.2 | length 6.2
  Top Layer w0.381: v1(94.615,64.38) 95.079,64.844 IC1.4
  Bottom Layer w0.381: v1(94.615,64.38) 96.753,64.38 R17.1 R18.2
V2N: C7.2 IC1.7 R5.2 R19.1 X2.3 | length 20.6
  Top Layer w0.381: IC1.7 100.83,66.794 101.231,67.195 102.997,67.195 R19.1 105.034,67.195 105.243,67.404 R5.2
  Top Layer w0.508: R5.2 110.06,67.404 111.256,66.208 X2.3
V2P: C8.2 IC1.6 R4.2 R5.1 R20.1 | length 11.9
  Top Layer w0.381: IC1.6 100.734,66.144 101.231,65.647 C8.2 R20.1 105.09,65.647 105.243,65.494 106.194,65.494 R5.1 R4.2
XTAL1: C25.1 IC6.7 R15.1 Z2.2 | length 14.8
  Top Layer w0.508: C25.1 55.472,37.005 Z2.2 57.162,42.847 R15.1 57.162,46.488 58.658,47.984 61.037,47.984 IC6.7
XTAL2: C26.1 IC6.8 R15.2 Z2.1 | length 12.9
  Top Layer w0.508: C26.1 60.352,37.005 Z2.1 58.662,42.847 R15.2 58.662,46.47 59.43,47.238 IC6.8
pads on no net: BTN1.0 IC1.11 IC1.12 IC3.11 IC3.13 IC3.14 IC5.8 IC6.1 IC6.2 IC6.9 IC6.10 IC6.11 IC6.12 IC6.13 IC6.14 IC6.19 IC6.20 IC6.22 IC6.24 IC6.25 IC6.26 X1.0 X1.5 X1.6 X1.8 X2.0

## Polygon pours and split planes (outlines as drawn)
GND on Top Layer "Top-GND" (solid, remove dead copper, pour order 0): 42,115 86.5,115 86.5,79.415 83.585,76.5 83.5,76.5 83.5,63.467 88.967,58 89,58 89,25 42,25
GND on Bottom Layer "Bottom-GND" (solid, remove dead copper, pour order 2): 42,115 86.5,115 86.5,79.415 83.585,76.5 83.5,76.5 83.5,63.467 88.967,58 89,58 89,25 42,25

## Keep-outs
Keep-Out Layer:
  the board outline again, w0.254

## Other copper
Top Layer:
  pour cut-out: 59,33 cw(c59,30) 61.991,30.238 cw(c58.752,30.238) 58.991,27.009 cw(c58.991,30) 56,30 cw(c59,30)
  pour cut-out: 125.5,33 cw(c125.5,30) 128.491,30.238 cw(c125.252,30.238) 125.491,27.009 cw(c125.491,30) 122.5,30 cw(c125.5,30)
  pour cut-out: 125.5,113 cw(c125.5,110) 128.491,110.238 cw(c125.252,110.238) 125.491,107.009 cw(c125.491,110) 122.5,110 cw(c125.5,110)
  pour cut-out: 47,113 cw(c47,110) 49.991,110.238 cw(c46.752,110.238) 46.991,107.009 cw(c46.991,110) 44,110 cw(c47,110)
  pour cut-out: 54.356,101.271 66,101.271 66,97 54.356,97
  pour cut-out: 85.047,51.859 92.837,51.859 92.837,41.359 85.047,41.359
  region net GND: 50,114 50,107 42.5,107 42.5,101.296 59.69,101.296 59.69,100.457 60.706,100.457 60.706,101.473 61.976,102.743 71.628,102.743 71.628,101.092 76.2,101.092 78.232,99.06 78.232,89.154 84,89.154 84,98.298 81.153,98.298 81.153,114
  region net 12V: 54.356,100.965 54.356,100.596 57.277,100.596 57.277,97.536 51,97.536 51,93.7 42.5,93.7 42.5,100.965
  region: 48.768,98.552
  region net NetIC4_2: 52.451,79.248 56.134,79.248 56.134,89.154 59.055,89.154 59.055,100.584 57.912,100.584 57.912,96.266 52.451,96.266
  region net GND: 75.305,99.066 76.5,97.871 76.5,85.598 66.421,85.598 66.421,89.154 59.69,89.154 59.69,97.663 60.706,97.663 60.706,96.266 63.119,96.266 63.119,100.876 68.58,100.876 68.58,99.066
  region net 5V: 76.962,84.963 76.962,88.392 84.328,88.392 84.328,91.694 86.36,91.694 86.36,79.375 62.738,79.375 62.738,84.467 66.421,84.467 66.421,84.963
  pour cut-out: 52.434,89.154 66.548,89.154 66.548,74.767 52.48,74.767
Bottom Layer:
  pour cut-out: 47,113 cw(c47,110) 49.991,110.238 cw(c46.752,110.238) 46.991,107.009 cw(c46.991,110) 44,110 cw(c47,110)
  pour cut-out: 59,33 cw(c59,30) 61.991,30.238 cw(c58.752,30.238) 58.991,27.009 cw(c58.991,30) 56,30 cw(c59,30)
  pour cut-out: 125.5,33 cw(c125.5,30) 128.491,30.238 cw(c125.252,30.238) 125.491,27.009 cw(c125.491,30) 122.5,30 cw(c125.5,30)
  pour cut-out: 125.5,113 cw(c125.5,110) 128.491,110.238 cw(c125.252,110.238) 125.491,107.009 cw(c125.491,110) 122.5,110 cw(c125.5,110)
  pour cut-out: 85.047,51.859 92.837,51.859 92.837,41.359 85.047,41.359
  pour cut-out: 52.434,89.154 66.548,89.154 66.548,74.767 52.48,74.767

## Silkscreen, mask and mechanical layers (free items; w line width, h text height)
Top Overlay:
  circle w0.254: c59,30 r3
  circle w0.254: c125.5,30 r3
  circle w0.254: c125.5,110 r3
  circle w0.254: c47,110 r3
  lines w0.254: 83.5,63.5 83.5,64.5 ; 83.5,65.5 83.5,66.5 ; 83.5,67.5 83.5,68.5 ; 83.5,69.5 83.5,70.5 ; 83.5,71.644 83.5,72.644 ; 83.5,73.5 83.5,74.5 ; 83.5,75.5 83.5,76.5 ; 84,62.984 84.804,62.187 ; 84.104,76.956 84.804,77.724 ; 85.3,78.232 86,79 ; 85.5,61.373 86.304,60.576 ; 86.448,80 86.448,81 ; 86.5,82 86.5,83 ; 86.5,84 86.5,85 ; 86.5,86 86.5,87 ; 86.5,88 86.5,89 ; 86.5,90 86.5,91 ; 86.5,99.5 86.5,100.5 ; 86.5,101.5 86.5,102.5 ; 86.5,103.5 86.5,104.5 ; 86.5,105.5 86.5,106.5 ; 86.5,107.5 86.5,108.5 ; 86.5,109.5 86.5,110.5 ; 86.5,111.5 86.5,112.5 ; 86.5,113.5 86.5,114.5 ; 87,59.873 87.804,59.076 ; 88.5,58.5 88.902,58.102 ; 89,26 89,27 ; 89,27.956 89,28.956 ; 89,30 89,31 ; 89,32 89,33 ; 89,34 89,35 ; 89,36 89,37 ; 89,38 89,39 ; 89,40 89,41 ; 89,52.5 89,53.5 ; 89,54.7 89,55.7 ; 89,57 89,58
  text "Electrical Grid / Harmonic Analyzer" at 93.472,107.696 h3
  text "12V" at 43.434,87.376 h1.02 r90
  text "5V" at 43.434,78.867 h1.02 r90
  text "12V" at 72.39,60.325 h1.02 r90
  text "5V" at 74.93,60.325 h1.02 r90
  text "SCL" at 77.47,60.325 h1.02 r90
  text "SDA" at 80.01,60.325 h1.02 r90
  text "GND" at 82.55,60.325 h1.02 r90
  text "RESET" at 43.434,47.371 h1.02 r90
  text "STATUS" at 43.434,38.1 h1.02 r90
  text "r001.2.3" at 112.141,26.162 h3

## Dimensions
125.5,110 to 130.5,115 on Mechanical 1
125.5,30 to 130.5,25 on Mechanical 1
42,25 to 130.5,25 on Mechanical 1
130.5,25 to 130.5,115 on Mechanical 1
47,110 to 42,115 on Mechanical 1
47,110 to 42,115 on Mechanical 1
42,25 to 59,30 on Mechanical 1
125.5,30 to 130.5,25 on Mechanical 1